# KiCad board acorn-motherboard.kicad_pcb
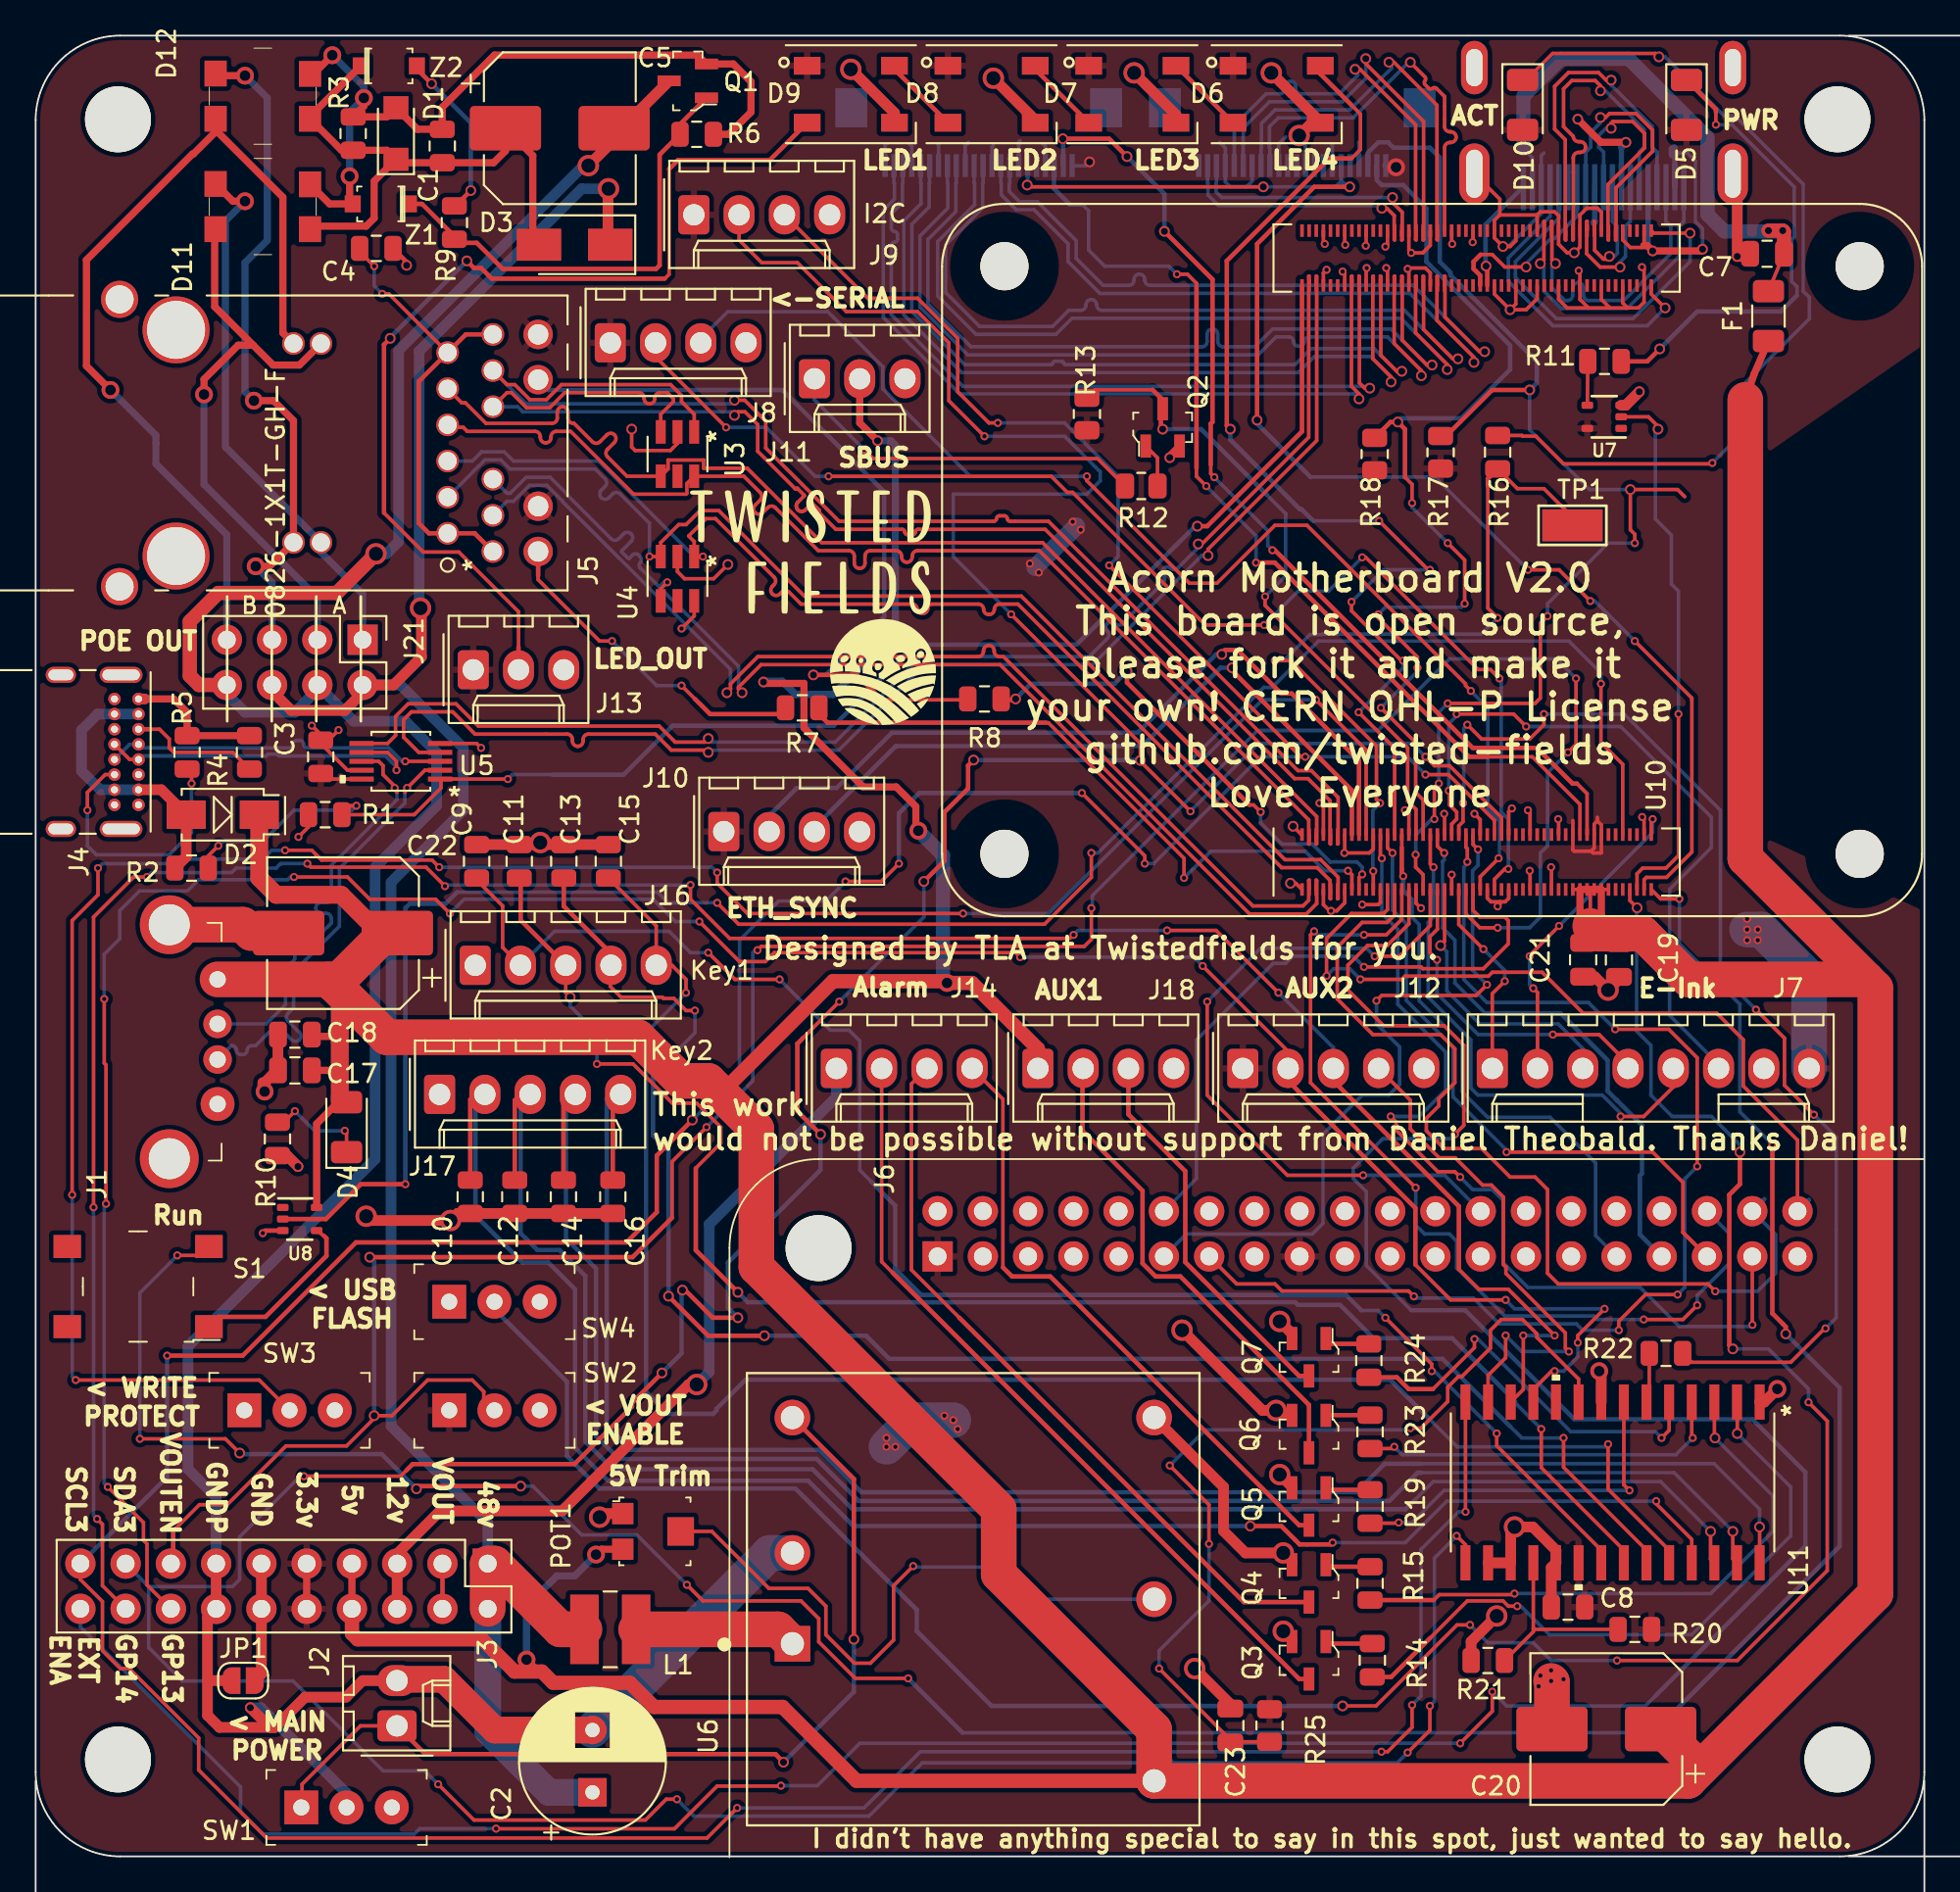
[diagram p0: board, top side]
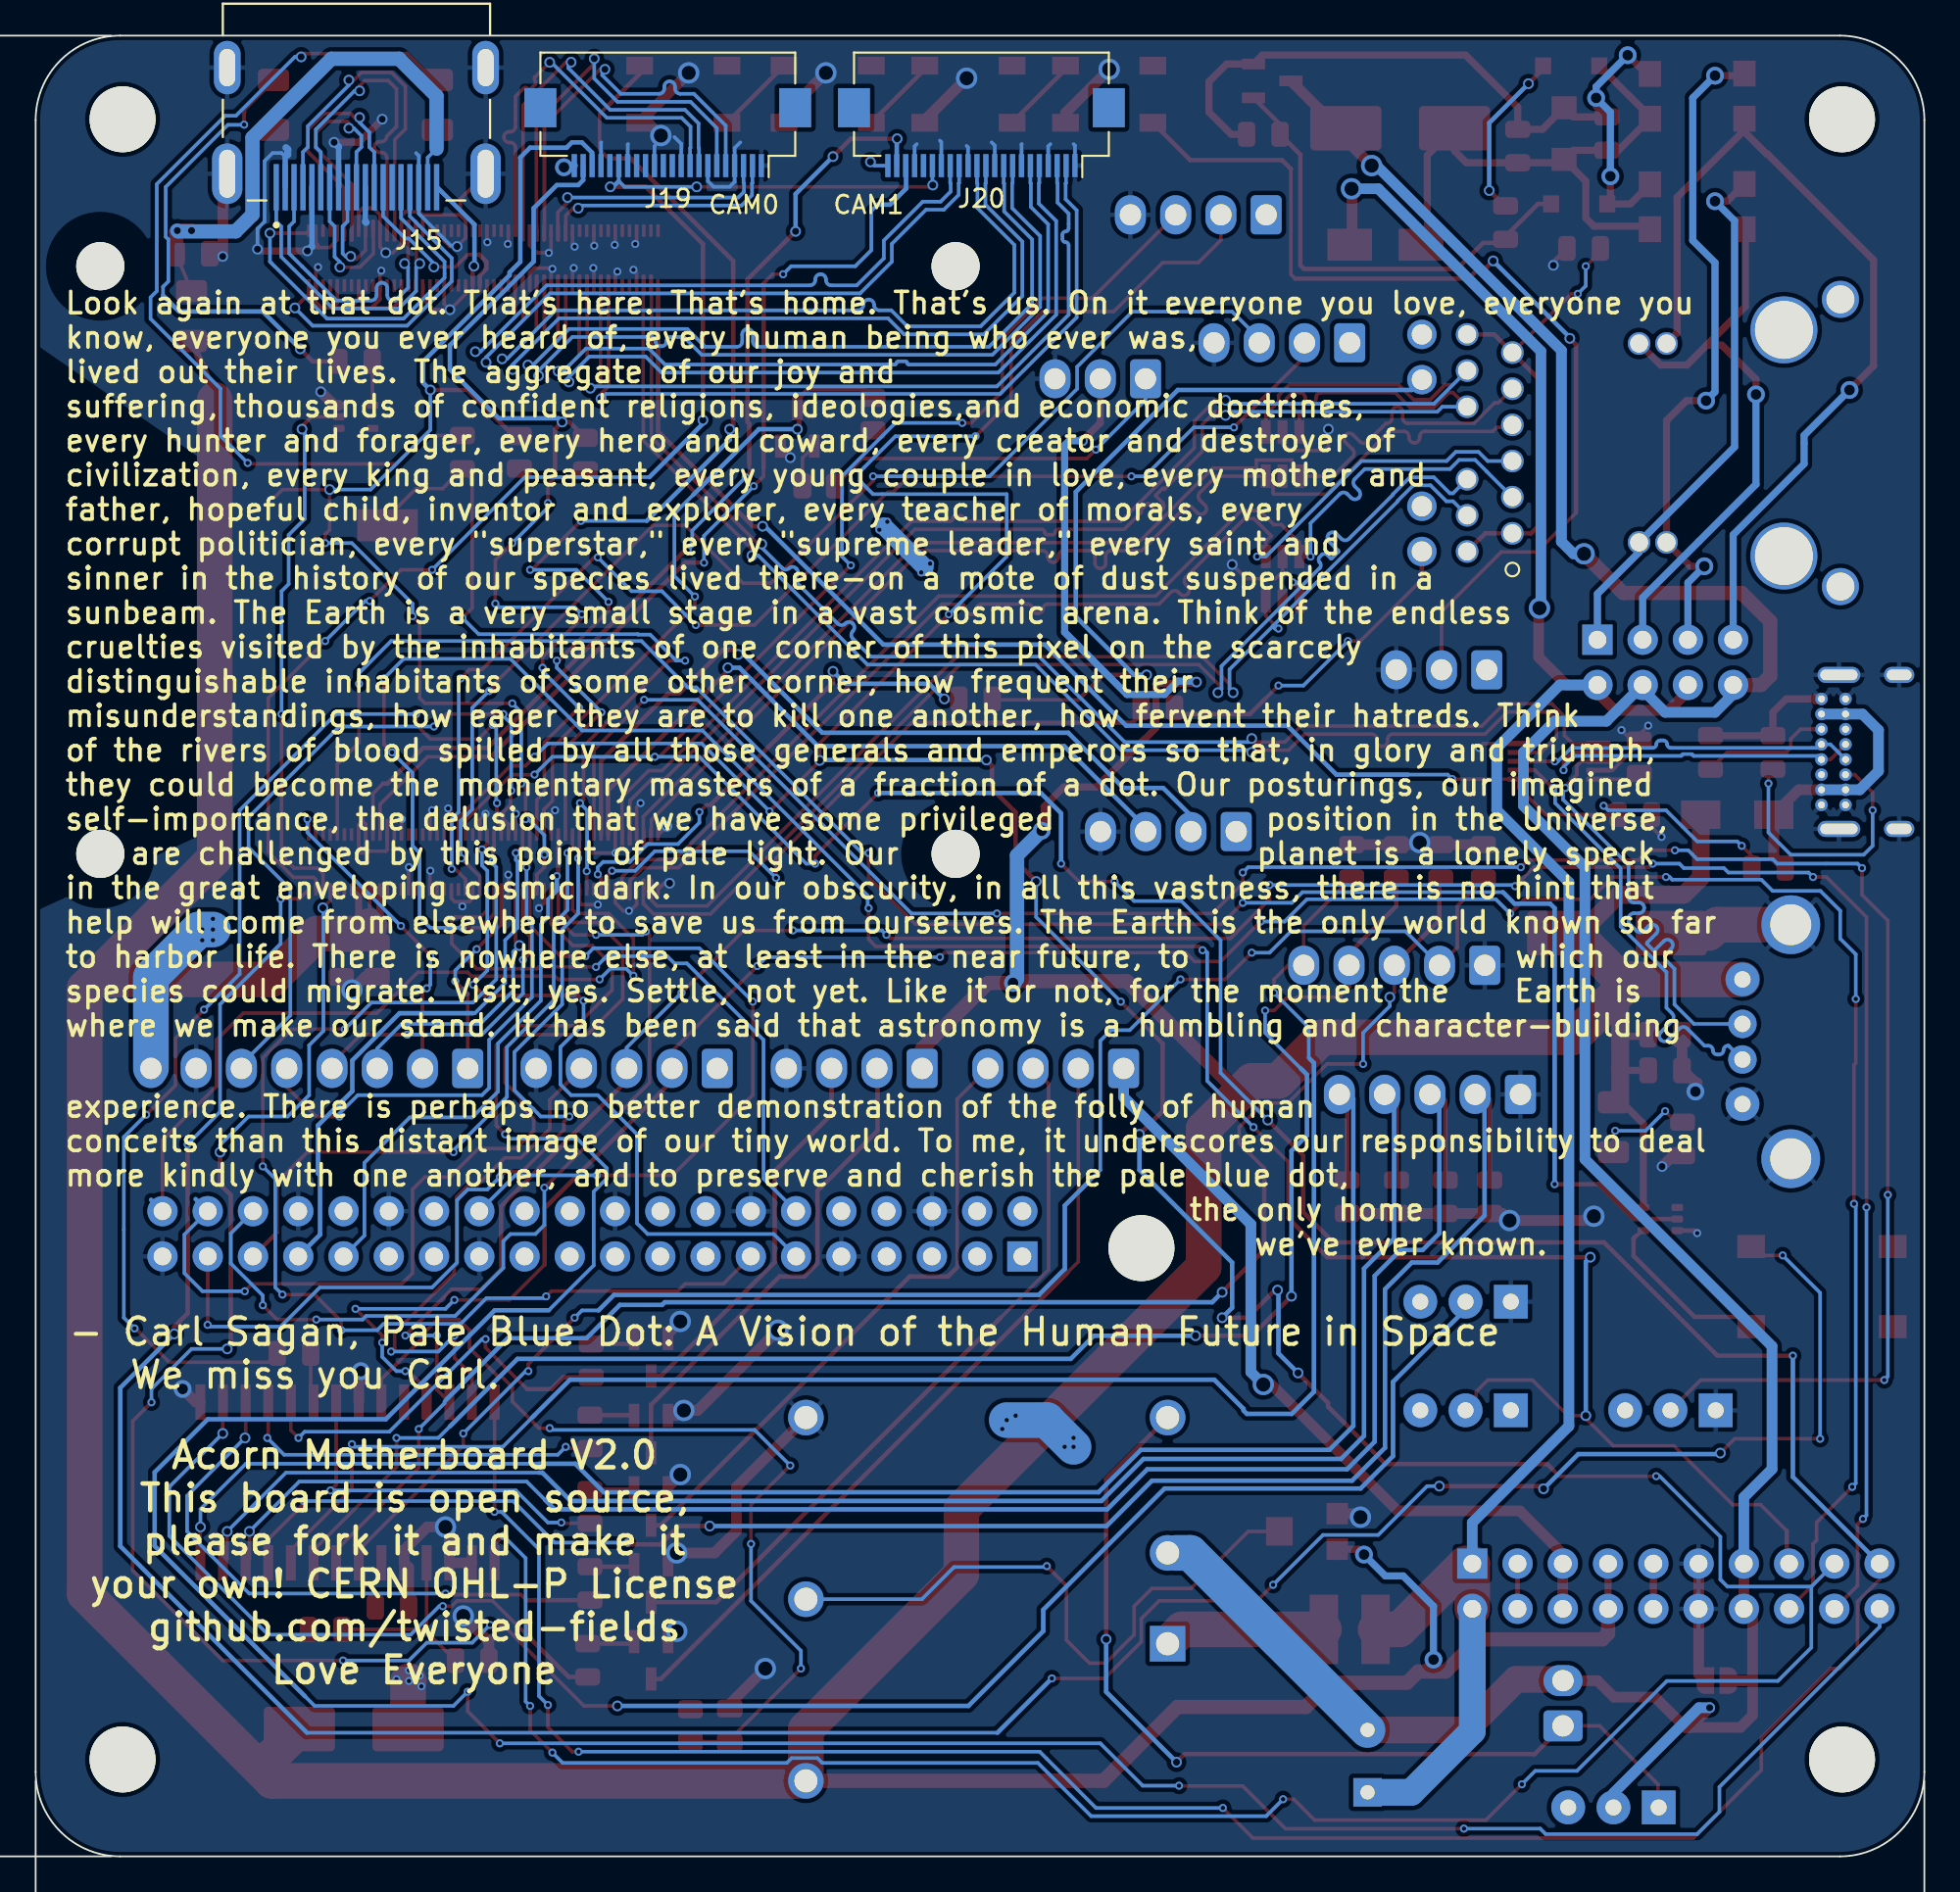
[diagram p1: board, bottom side, seen from below]

Outline 106 x 102.25 mm; copper layers: Top, Bottom. Coordinates in mm from the lower left corner of the outline.
Outline path: 0,97.5 0,4.75 arc(1.39,1.39) 4.75,0 101.25,0 arc(104.61,1.39) 106,4.75 106,97.5 arc(104.61,100.86) 101.25,102.25 4.75,102.25 arc(1.39,100.86) 0,97.5
Stack: Top 0.035mm / dielectric 1.51mm FR4 er 4.5 / Bottom 0.035mm

## Placement (name value [footprint] x y rotation side)
C1  0.1uF  [C_0805_2012Metric]  22.82 96.05 90 top
C2  47uF  [CP_Radial_D8.0mm_P3.50mm]  31.25 3.6 90 top
C3  0.1uF  [C_0805_2012Metric]  16 61.75 270 top
C4  0.1uF  [C_0805_2012Metric]  19.12 90.3 0 top
C5  22uF  [CP_Elec_8x6.5]  29.42 97.05 0 top
C7  0.1uF  [C_0805_2012Metric#2]  97.17 90 180 top
C8  0.1uF  [C_0805_2012Metric]  86 14 0 top
C9  DNP  [C_0805_2012Metric]  24.75 55.88 270 top
C10  DNP  [C_0805_2012Metric]  24.39 37.04 90 top
C11  DNP  [C_0805_2012Metric]  27.14 55.88 270 top
C12  DNP  [C_0805_2012Metric]  26.89 37.04 90 top
C13  DNP  [C_0805_2012Metric]  29.64 55.88 270 top
C14  DNP  [C_0805_2012Metric]  29.62 37.04 90 top
C15  DNP  [C_0805_2012Metric]  32.14 55.88 270 top
C16  DNP  [C_0805_2012Metric]  32.39 37.04 90 top
C17  10uF  [C_0805_2012Metric#2]  14.55 44.14 180 top
C18  10uF  [C_0805_2012Metric#2]  14.55 46.15 180 top
C19  10uF  [C_0805_2012Metric#2]  88.86 50.34 270 top
C20  100uF  [CP_Elec_8x6.5]  88.15 7.15 180 top
C21  10uF  [C_0805_2012Metric#2]  86.85 50.35 270 top
C22  100uF  [CP_Elec_8x6.5]  17.25 51.85 180 top
C23  33pF  [C_0805_2012Metric#2]  67.05 7.35 270 top
D1  VTVS58ASMF-HM3-08  [D_SMF]  20.22 96.75 90 top
D2  D  [DO214AC]  10.5 58.5 180 top
D3  D  [D_SMA]  30.25 90.51 180 top
D4  LED_RED  [LED_1206_3216Metric]  17.45 40.95 90 top
D5  LED_ORANGE  [LED_1206_3216Metric]  92.65 98.36 270 top
D6  WS2812B  [LED_WS2812B_PLCC4_5.0x5.0mm_P3.2mm]  69.65 98.96 0 top
D7  WS2812B  [LED_WS2812B_PLCC4_5.0x5.0mm_P3.2mm]  61.55 98.96 0 top
D8  WS2812B  [LED_WS2812B_PLCC4_5.0x5.0mm_P3.2mm]  53.65 98.96 0 top
D9  WS2812B  [LED_WS2812B_PLCC4_5.0x5.0mm_P3.2mm]  45.75 98.96 0 top
D10  LED_GREEN  [LED_1206_3216Metric]  83.45 98.36 270 top
D11  CD-HD201  [CBRDFSH2]  12.75 92.65 270 top
D12  CD-HD201  [CBRDFSH2]  12.75 98.85 270 top
F1  Polyfuse  [Fuse_1206_3216Metric]  97.25 86.5 90 top
G***  LOGO  [twisted_icon]  47.75 66.5 0 top
G***#2  LOGO  [twisted_2]  34.52 71.25 0 top
G***#3  LOGO  [twisted]  43.5 75.25 0 top
H1  MountingHole  [MountingHole_3.7mm]  4.62 5.44 0 top
H2  MountingHole  [MountingHole_3.7mm]  4.62 97.55 0 top
H3  MountingHole  [MountingHole_3.7mm]  43.94 34.16 0 top
H4  MountingHole  [MountingHole_3.7mm]  101.12 97.55 0 top
H5  MountingHole  [MountingHole_3.7mm]  101.12 5.44 0 top
J1  USB_A  [USB_A_Female_UE27AC54100]  7.5 45.75 270 top
J2  Conn_01x02  [Molex_KK-254_AE-6410-02A_1x02_P2.54mm_Vertical]  20.28 7.33 90 top
J3  Conn_02x10_Counter_Clockwise  [PinHeader_2x10_P2.54mm_Vertical]  25.37 16.44 270 top
J4  USB_C_Receptacle_USB2.0  [USB_C_Receptacle_GCT_USB4085]  5.78 65 270 top
J5  -  [0826-1X1T-GH-F]  23.12 74.3 90 top
J6  Raspberry_Pi_2_3  [PinSocket_2x20_P2.54mm_Vertical]  50.62 33.69 270 bottom
J7  Conn_01x08  [Molex_KK-254_AE-6410-08A_1x08_P2.54mm_Vertical]  81.75 44.25 0 top
J8  Conn_01x04  [Molex_KK-254_AE-6410-04A_1x04_P2.54mm_Vertical]  32.25 85 0 top
J9  Conn_01x04  [Molex_KK-254_AE-6410-04A_1x04_P2.54mm_Vertical]  36.94 92.19 0 top
J10  Conn_01x04  [Molex_KK-254_AE-6410-04A_1x04_P2.54mm_Vertical]  38.62 57.55 0 top
J11  Conn_01x03  [Molex_KK-254_AE-6410-03A_1x03_P2.54mm_Vertical]  43.71 82.98 0 top
J12  Conn_01x05  [Molex_KK-254_AE-6410-05A_1x05_P2.54mm_Vertical]  67.75 44.25 0 top
J13  Conn_01x03  [Molex_KK-254_AE-6410-03A_1x03_P2.54mm_Vertical]  24.56 66.64 0 top
J14  Conn_01x04  [Molex_KK-254_AE-6410-04A_1x04_P2.54mm_Vertical]  44.94 44.25 0 top
J15  1747981-1  [TE_1747981-1]  88 94.49 0 bottom
J16  Conn_01x05  [Molex_KK-254_AE-6410-05A_1x05_P2.54mm_Vertical]  24.67 50.04 0 top
J17  Conn_01x05  [Molex_KK-254_AE-6410-05A_1x05_P2.54mm_Vertical]  22.67 42.79 0 top
J18  Conn_01x04  [Molex_KK-254_AE-6410-04A_1x04_P2.54mm_Vertical]  56.25 44.25 0 top
J19  Conn_01x22_Female  [Hirose_FH12-22S-0.5SH_1x22-1MP_P0.50mm_Horizontal]  70.52 96.8 0 bottom
J20  Conn_01x22_Female  [Hirose_FH12-22S-0.5SH_1x22-1MP_P0.50mm_Horizontal]  52.92 96.8 0 bottom
J21  Conn_02x04_Odd_Even  [PinHeader_2x04_P2.54mm_Vertical]  18.35 68.33 270 top
JP1  Jumper_2_Open  [SolderJumper-2_P1.3mm_Open_RoundedPad1.0x1.5mm]  11.65 9.87 0 top
L1  L  [VLCF4028T-1R2N2R7-2]  32.25 12.75 180 top
POT1  TC33X-2-103E  [Trimpot_3.8mmx3.6mm_TC33X-2-103E]  34.75 18.25 270 top
Q1  Si2328DS  [SOT-23-3]  36.6 99.71 180 top
Q2  2N7002  [SOT-23-3]  63.25 80.25 90 top
Q3  2N7002  [SOT-23-3]  71.46 11.01 270 top
Q4  2N7002  [SOT-23-3]  71.46 15.33 270 top
Q5  2N7002  [SOT-23-3]  71.46 19.65 270 top
Q6  2N7002  [SOT-23-3]  71.46 23.71 270 top
Q7  2N7002  [SOT-23-3]  71.46 28.03 270 top
R1  2.2k 1%  [R_0805_2012Metric]  16.25 58.5 180 top
R2  2.2k 1%  [R_0805_2012Metric]  8.75 55.5 0 top
R3  24.1k/1%  [R_0805_2012Metric]  17.82 96.75 270 top
R4  5.1k  [R_0805_2012Metric]  12 62 270 top
R5  5.1k  [R_0805_2012Metric]  8.5 62 270 top
R6  249k  [R_0805_2012Metric]  37.1 96.71 180 top
R7  470R  [R_0805_2012Metric]  43.02 64.5 0 top
R8  470R  [R_0805_2012Metric]  53.25 65 0 top
R9  51k  [R_0805_2012Metric]  23.5 91.75 90 top
R10  220R  [R_0805_2012Metric]  13.57 40.29 270 top
R11  1k  [R_0805_2012Metric]  88.05 83.96 180 top
R12  100R  [R_0805_2012Metric#2]  62.05 76.96 0 top
R13  10k  [R_0805_2012Metric#2]  59 81 270 top
R14  100R  [R_0805_2012Metric]  75.02 11.01 90 top
R15  100R  [R_0805_2012Metric]  74.89 15.33 90 top
R16  1k  [R_0805_2012Metric]  82.05 78.86 270 top
R17  2.2k 1%  [R_0805_2012Metric#2]  78.85 78.85 90 top
R18  2.2k 1%  [R_0805_2012Metric#2]  75.15 78.75 90 top
R19  100R  [R_0805_2012Metric]  74.89 19.65 90 top
R20  DNP  [R_0805_2012Metric]  89.75 12.75 0 top
R21  10k  [R_0805_2012Metric]  81.5 11 0 top
R22  1k  [R_0805_2012Metric]  91.5 28.25 180 top
R23  100R  [R_0805_2012Metric]  74.89 23.84 90 top
R24  100R  [R_0805_2012Metric]  74.82 27.84 90 top
R25  3.9k  [R_0805_2012Metric#2]  69.25 7.35 90 top
S1  RUN_SW  [Switch_Tactile_SMD_6x6mm_PTS645]  5.75 32 180 top
SW1  SW_SPDT  [Switch_Slide_9x4mm_ASE1E-2M]  17.45 2.75 0 top
SW2  SW_SPDT  [Switch_Slide_9x4mm_ASE1E-2M]  25.75 25.05 0 top
SW3  SW_SPDT  [Switch_Slide_9x4mm_ASE1E-2M]  14.25 25.05 0 top
SW4  SW_SPDT  [Switch_Slide_9x4mm_ASE1E-2M]  25.75 31.15 0 top
TP1  TestPoint  [TestPoint_Keystone_5015_Micro-Minature]  86.25 74.75 180 top
U3  -  [AOZ8904CIL]  36.02 78.75 270 top
U4  -  [AOZ8904CIL]  36.02 71.75 270 top
U5  -  [ISL54222AIUZ]  20.5 61.5 180 top
U6  PDQ30-Q48-S5-D  [CONV_PDQ30-Q48-S5-D]  52.62 14.44 90 top
U7  buffer  [SOT-353_SC-70-5]  88.04 80.84 180 top
U8  buffer  [SOT-353_SC-70-5]  14.82 35.79 0 top
U10  Compute_Module_4_Connectors  [Raspberry-Pi-4-Compute-Module]  80.87 72.8 90 top
U11  MCP23016T-I/SO  [MCP23016T-I&slash_SO]  88.5 21 270 top
Z1  15v/200mW  [SOD-123]  19.37 92.8 180 top
Z2  28v/500mW  [SOD-123]  19.82 100.55 0 top

## Library data of the parts
C2 = -: Digikey: 1189-1004-ND
C5 = -: Digikey: 4447PHCT-ND; MPN: MAL214699801E3
C7 = -: Field4: Farnell; Field5: 2611911; Field6: RM EMK105 B7104KV-F; Field7: TAIYO YUDEN EUROPE GMBH; Field8: 110091611; Part Description: 0.1uF 10% 16V Ceramic Capacitor X7R 0402 (1005 Metric)
C8 C23 = -: Digikey: 311-1361-1-ND
C17-C19 C21 = -: Digikey: 311-1355-1-ND; MPN: CC0805ZKY5V6BB106
C20 C22 = -: Digikey: 493-9703-1-ND; MPN: UWF1A101MCL1GS
D1 = -: Description: TVS Diode 57.6 volts; Category: Circuit Protection; Digikey: 112-VTVS58ASMF-HM3-08CT-ND; Family: TVS - Diodes; Status: Active
D2 = -: Digikey: SK32A-LTPMSCT-ND; MPN: SK32A-LTP
D3 = -: Digikey: 112-VSS8D2M10HM3/ICT-ND; MPN: VSS8D2M10HM3/I
D4 = -: Digikey: 160-1405-1-ND; MPN: LTST-C150KRKT
D5 = -: Digikey: 67-1696-1-ND; MPN: SML-LX1206SOC-TR
D6-D8 = -: Digikey: 1568-1800-ND; MPN: COM-11821; Field6: 1
D9 = -: Digikey: 1568-1800-ND; MPN: COM-11821
D10 = -: Digikey: 160-1404-1-ND; MPN: LTST-C150KGKT
D11 D12 = -: Digikey: 1514-CBRDFSH2-100TR13CT-ND; MPN: CBRDFSH2-100 TR13
F1 = -: Digikey: 507-1802-1-ND; MPN: 0ZCJ0050FF2G
J1 = -: Digikey: UE27AC54100-ND; MPN: UE27AC54100
J2 = -: Digikey: 900-0022232021-ND; MPN: 0022232021
J3 = -: Digikey: S9172-ND; MPN: SBH11-PBPC-D10-ST-BK
J4 = -: Digikey: 2073-USB4085-GF-ACT-ND; MPN: USB4085-GF-A
J5 = -: Digikey: 507-1569-ND
J6 = -: Digikey: S6104-ND; MPN: PPTC202LFBN-RC
J7 = -: Digikey: WM4117-ND; MPN: 0022272081
J8-J10 J14 J18 = -: Digikey: WM4202-ND; MPN: 0022232041
J11 J13 = -: Digikey: WM4201-ND; MPN: 0022232031
J12 J16 J17 = -: Digikey: WM2703-ND; MPN: 0022112052
J15 = -: Digikey: A35071CT-ND
J19 J20 = -: Digikey: HFJ122CT-ND; Field7: Hirose; MPN: FH12-22S-0.5SH(55); Part Description: 22 Position FFC, FPC Connector Contacts, Bottom 0.020" (0.50mm) Surface Mount, Right Angle
L1 = -: Digikey: 445-6544-1-ND; Field5: *; Field6: *
POT1 = -: Description: TRIMMER 10K OHM 0.1W J LEAD TOP; Category: Potentiometers, Variable Resistors; DK_Datasheet_Link: https://www.bourns.com/docs/Product-Datasheets/TC33.pdf; DK_Detail_Page: /product-detail/en/bourns-inc/TC33X-2-103E/TC33X-103ETR-ND/612858; Digikey: TC33X-502ECT-ND; Family: Trimmer Potentiometers; MPN: TC33X-2-502E; Manufacturer: Bourns Inc.; Status: Active
Q1 = -: Digikey: DMN10H220L-7DICT-ND; MPN: DMN10H220L-7
Q2 Q3 = -: Description: MOSFET N-CH 60V 115MA SOT-23; Category: Discrete Semiconductor Products; Digikey: MMBF0201NLT1GOSCT-ND; Family: Transistors - FETs, MOSFETs - Single; Manufacturer: ON Semiconductor; Status: Active
Q4-Q7 = -: Description: MOSFET N-CH 60V 115MA SOT-23; Category: Discrete Semiconductor Products; DK_Datasheet_Link: https://www.onsemi.com/pub/Collateral/NDS7002A-D.PDF; DK_Detail_Page: /product-detail/en/on-semiconductor/2N7002/2N7002NCT-ND/244664; Digikey: MMBF0201NLT1GOSCT-ND; Family: Transistors - FETs, MOSFETs - Single; Manufacturer: ON Semiconductor; Status: Active
R1 R2 = -: Digikey: RMCF0805FT2K10CT-ND; MPN: RMCF0805FT2K10
R3 R6-R9 = -: Digikey: RMCF0805FT750RCT-ND
R4 R5 = -: Digikey: RMCF0805FT130RCT-ND
R10 = -: Digikey: A129741CT-ND
R11 R16 R22 = -: Digikey: 311-1.00KCRCT-ND
R13 R21 R25 = -: Digikey: 311-10.0KCRCT-ND
R14 R15 R19 R23 R24 = -: Digikey: 311-100CRCT-ND
R17 R18 = -: Digikey: RMCF0805FT2K10CT-ND; MPN: RC0805FR-0710KL; Part Description: Resistor 2.2K M1005 1% 63mW
S1 = -: Description: SWITCH TACTILE SPST-NO 0.05A 12V; Category: Switches; DK_Datasheet_Link: https://www.ckswitches.com/media/1471/pts645.pdf; DK_Detail_Page: /product-detail/en/c-k/PTS645SM43SMTR92-LFS/CKN9112CT-ND/1146934; Digikey: CKN9112CT-ND; Family: Tactile Switches; MPN: PTS645SM43SMTR92 LFS; Manufacturer: C&K; Status: Active
SW1-SW4 = -: Digikey: 563-1153-ND
TP1 = -: Digikey: 36-5015CT-ND
U3 = -: Digikey: 785-1755-1-ND; Field6: 0.022in/0.559mm; Field7: 0.098in/2.489mm; Field8: 0.052in/1.321mm; Field9: 0.037in/0.94mm; Field10: Copyright 2021 Accelerated Designs. All rights reserved.
U4 = -: Digikey: 785-1755-1-ND; Field6: 0.022in/0.559mm; Field7: 0.037in/0.94mm; Field8: 0.098in/2.489mm; Field9: 0.052in/1.321mm; Field10: Copyright 2021 Accelerated Designs. All rights reserved.
U5 = -: Digikey: ISL54222AIUZ-ND; Field6: 0.054in/1.359mm; Field7: 0.011in/0.279mm; Field8: 0.174in/4.407mm; Field9: 0.02in/0.5mm
U6 = -: Digikey: 102-3897-ND; Field5: Manufacturer Recommendations
U7 U8 = -: Digikey: TC7SH34FULJ(CTCT-ND; MPN: TC7SH34FU,LJ(CT
U10 = -: Digikey: H124602CT-ND; MPN: DF40HC(3.0)-100DS-0.4V(58)
U11 = -: Digikey: MCP23016T-I/SOCT-ND; Field6: .
Z1 = -: Description: DIODE ZENER 15V 500MW SOD123; Category: Discrete Semiconductor Products; DK_Datasheet_Link: https://www.diodes.com/assets/Datasheets/ds30410.pdf; DK_Detail_Page: https://www.digikey.com/en/products/detail/diodes-incorporated/DDZ9702-7/700124; Digikey: DDZ9702DICT-ND; Family: Diodes - Zener - Single; MPN: DDZ9702-7; Manufacturer: Diodes Incorporated; Status: Active
Z2 = -: Description: DIODE ZENER 28V 500MW SOD123; Category: Discrete Semiconductor Products; DK_Datasheet_Link: https://www.diodes.com/assets/Datasheets/ds18010.pdf; DK_Detail_Page: https://www.digikey.com/en/products/detail/diodes-incorporated/MMSZ5255B-7-F/814442; Digikey: MMSZ5255B-FDICT-ND; Family: Diodes - Zener - Single; MPN: MMSZ5255B-7-F; Manufacturer: Diodes Incorporated; Status: Active

## Footprints (pads in the part's own frame, mm; a bottom-side part is the same pattern mirrored in y, then rotated)
0826-1X1T-GH-F
  round 1.27 hole 1.016: 1(0,0) 2(2.03,0) 3(4.06,0) 4(6.09,0) 5(8.12,0) 6(10.15,0) 7(-1.02,-2.54) 8(1.01,-2.54) 9(3.04,-2.54) 10(7.11,-2.54) 11(9.14,-2.54) 12(11.17,-2.54) 13(-0.51,7.11) 14(10.66,7.11) 15(-0.51,8.65) 16(10.66,8.65)
  round 1.651 hole 1.143: 17(-1.02,-5.08) 18(1.52,-5.08) 19(8.63,-5.08) 20(11.17,-5.08)
  round 3.759 hole 3.251: 21(-1.275,15.24) 22(11.425,15.24)
  round 2.083 hole 1.575: 23(-2.99,18.41) 24(13.14,18.41)
AOZ8904CIL
  rect 1.321x0.559 smd: 1(-1.245,0.94) 2(-1.245,0) 3(-1.245,-0.94) 4(1.245,-0.94) 5(1.245,0) 6(1.245,0.94)
C_0805_2012Metric
  rrect 0.975x1.4 smd: 1(-0.938,0) 2(0.938,0)
C_0805_2012Metric#2
  rrect 1x1.45 smd: 1(-0.95,0) 2(0.95,0)
CBRDFSH2
  rect 1.45x1.25 smd: 1(-1.27,-2.65) 2(1.27,-2.65) 3(-1.25,2.65) 4(1.27,2.65)
CONV_PDQ30-Q48-S5-D
  rect 2x2 hole 1.3: 1(-2.5,10.15)
  round 2 hole 1.3: 2(2.6,10.15) 3(-10.2,-10.15) 4(0,-10.15) 5(10.2,-10.15) 6(10.2,10.15)
CP_Elec_8x6.5
  rrect 4x2.5 smd: 1(-3.05,0) 2(3.05,0)
CP_Radial_D8.0mm_P3.50mm
  rect 1.6x1.6 hole 0.8: 1(0,0)
  round 1.6 hole 0.8: 2(3.5,0)
D_SMA
  rect 2.5x1.8 smd: 1(-2,0) 2(2,0)
D_SMF
  rect 1.3x1.4 smd: 1(-1.45,0) 2(1.45,0)
DO214AC
  rect 2.2x1.6 smd: 1(-2.05,0) 2(2.05,0)
Fuse_1206_3216Metric
  rrect 1.25x1.75 smd: 1(-1.4,0) 2(1.4,0)
Hirose_FH12-22S-0.5SH_1x22-1MP_P0.50mm_Horizontal
  rect 0.3x1.3 smd: 1(-5.25,1.85) 2(-4.75,1.85) 3(-4.25,1.85) 4(-3.75,1.85) 5(-3.25,1.85) 6(-2.75,1.85) 7(-2.25,1.85) 8(-1.75,1.85) 9(-1.25,1.85) 10(-0.75,1.85) 11(-0.25,1.85) 12(0.25,1.85) 13(0.75,1.85) 14(1.25,1.85) 15(1.75,1.85) 16(2.25,1.85) 17(2.75,1.85) 18(3.25,1.85) 19(3.75,1.85) 20(4.25,1.85) 21(4.75,1.85) 22(5.25,1.85)
  rect 1.8x2.2 smd: MP(-7.15,-1.4) MP(7.15,-1.4)
ISL54222AIUZ
  rect 1.359x0.279 smd: 1(-2.203,1) 2(-2.203,0.5) 3(-2.203,0) 4(-2.203,-0.5) 5(-2.203,-1) 6(2.203,-1) 7(2.203,-0.5) 8(2.203,0) 9(2.203,0.5) 10(2.203,1)
LED_1206_3216Metric
  rrect 1.25x1.75 smd: 1(-1.4,0) 2(1.4,0)
LED_WS2812B_PLCC4_5.0x5.0mm_P3.2mm
  rect 1.5x1 smd: 1(-2.45,1.6) 2(-2.45,-1.6) 3(2.45,-1.6) 4(2.45,1.6)
MCP23016T-I&slash_SO
  rect 1.981x0.559 smd: 1(-4.515,8.255) 2(-4.515,6.985) 3(-4.515,5.715) 4(-4.515,4.445) 5(-4.515,3.175) 6(-4.515,1.905) 7(-4.515,0.635) 8(-4.515,-0.635) 9(-4.515,-1.905) 10(-4.515,-3.175) 11(-4.515,-4.445) 12(-4.515,-5.715) 13(-4.515,-6.985) 14(-4.515,-8.255) 15(4.515,-8.255) 16(4.515,-6.985) 17(4.515,-5.715) 18(4.515,-4.445) 19(4.515,-3.175) 20(4.515,-1.905) 21(4.515,-0.635) 22(4.515,0.635) 23(4.515,1.905) 24(4.515,3.175) 25(4.515,4.445) 26(4.515,5.715) 27(4.515,6.985) 28(4.515,8.255)
Molex_KK-254_AE-6410-02A_1x02_P2.54mm_Vertical
  rrect 1.74x2.2 hole 1.2: 1(0,0)
  oval 1.74x2.2 hole 1.2: 2(2.54,0)
Molex_KK-254_AE-6410-03A_1x03_P2.54mm_Vertical
  rrect 1.74x2.19 hole 1.19: 1(0,0)
  oval 1.74x2.19 hole 1.19: 2(2.54,0) 3(5.08,0)
Molex_KK-254_AE-6410-04A_1x04_P2.54mm_Vertical
  rrect 1.74x2.2 hole 1.2: 1(0,0)
  oval 1.74x2.2 hole 1.2: 2(2.54,0) 3(5.08,0) 4(7.62,0)
Molex_KK-254_AE-6410-05A_1x05_P2.54mm_Vertical
  rrect 1.74x2.2 hole 1.2: 1(0,0)
  oval 1.74x2.2 hole 1.2: 2(2.54,0) 3(5.08,0) 4(7.62,0) 5(10.16,0)
Molex_KK-254_AE-6410-08A_1x08_P2.54mm_Vertical
  rrect 1.74x2.2 hole 1.2: 1(0,0)
  oval 1.74x2.2 hole 1.2: 2(2.54,0) 3(5.08,0) 4(7.62,0) 5(10.16,0) 6(12.7,0) 7(15.24,0) 8(17.78,0)
MountingHole_3.7mm
  round 3.7 hole 3.7 unplated: (0,0)
PinHeader_2x04_P2.54mm_Vertical
  rect 1.7x1.7 hole 1: 1(0,0)
  oval 1.7x1.7 hole 1: 2(2.54,0) 3(0,-2.54) 4(2.54,-2.54) 5(0,-5.08) 6(2.54,-5.08) 7(0,-7.62) 8(2.54,-7.62)
PinHeader_2x10_P2.54mm_Vertical
  rect 1.7x1.7 hole 1: 1(0,0)
  oval 1.7x1.7 hole 1: 2(2.54,0) 3(0,-2.54) 4(2.54,-2.54) 5(0,-5.08) 6(2.54,-5.08) 7(0,-7.62) 8(2.54,-7.62) 9(0,-10.16) 10(2.54,-10.16) 11(0,-12.7) 12(2.54,-12.7) 13(0,-15.24) 14(2.54,-15.24) 15(0,-17.78) 16(2.54,-17.78) 17(0,-20.32) 18(2.54,-20.32) 19(0,-22.86) 20(2.54,-22.86)
PinSocket_2x20_P2.54mm_Vertical
  rect 1.7x1.7 hole 1: 1(0,0)
  oval 1.7x1.7 hole 1: 2(-2.54,0) 3(0,-2.54) 4(-2.54,-2.54) 5(0,-5.08) 6(-2.54,-5.08) 7(0,-7.62) 8(-2.54,-7.62) 9(0,-10.16) 10(-2.54,-10.16) 11(0,-12.7) 12(-2.54,-12.7) 13(0,-15.24) 14(-2.54,-15.24) 15(0,-17.78) 16(-2.54,-17.78) 17(0,-20.32) 18(-2.54,-20.32) 19(0,-22.86) 20(-2.54,-22.86) 21(0,-25.4) 22(-2.54,-25.4) 23(0,-27.94) 24(-2.54,-27.94) 25(0,-30.48) 26(-2.54,-30.48) 27(0,-33.02) 28(-2.54,-33.02) 29(0,-35.56) 30(-2.54,-35.56) 31(0,-38.1) 32(-2.54,-38.1) 33(0,-40.64) 34(-2.54,-40.64) 35(0,-43.18) 36(-2.54,-43.18) 37(0,-45.72) 38(-2.54,-45.72) 39(0,-48.26) 40(-2.54,-48.26)
R_0805_2012Metric
  rrect 0.975x1.4 smd: 1(-0.938,0) 2(0.938,0)
R_0805_2012Metric#2
  rrect 1.025x1.4 smd: 1(-0.912,0) 2(0.912,0)
Raspberry-Pi-4-Compute-Module
  round 2.7 hole 2.7 unplated: (-16.5,26.5) (-16.5,-21.5) (16.5,26.5) (16.5,-21.5)
  rect 0.7x0.2 smd: 1(-18.5,9.8) 2(-15.42,9.8) 3(-18.5,9.4) 4(-15.42,9.4) 5(-18.5,9) 6(-15.42,9) 7(-18.5,8.6) 8(-15.42,8.6) 9(-18.5,8.2) 10(-15.42,8.2) 11(-18.5,7.8) 12(-15.42,7.8) 13(-18.5,7.4) 14(-15.42,7.4) 15(-18.5,7) 16(-15.42,7) 17(-18.5,6.6) 18(-15.42,6.6) 19(-18.5,6.2) 20(-15.42,6.2) 21(-18.5,5.8) 22(-15.42,5.8) 23(-18.5,5.4) 24(-15.42,5.4) 25(-18.5,5) 26(-15.42,5) 27(-18.5,4.6) 28(-15.42,4.6) 29(-18.5,4.2) 30(-15.42,4.2) 31(-18.5,3.8) 32(-15.42,3.8) 33(-18.5,3.4) 34(-15.42,3.4) 35(-18.5,3) 36(-15.42,3) 37(-18.5,2.6) 38(-15.42,2.6) 39(-18.5,2.2) 40(-15.42,2.2) 41(-18.5,1.8) 42(-15.42,1.8) 43(-18.5,1.4) 44(-15.42,1.4) 45(-18.5,1) 46(-15.42,1) 47(-18.5,0.6) 48(-15.42,0.6) 49(-18.5,0.2) 50(-15.42,0.2) 51(-18.5,-0.2) 52(-15.42,-0.2) 53(-18.5,-0.6) 54(-15.42,-0.6) 55(-18.5,-1) 56(-15.42,-1) 57(-18.5,-1.4) 58(-15.42,-1.4) 59(-18.5,-1.8) 60(-15.42,-1.8) 61(-18.5,-2.2) 62(-15.42,-2.2) 63(-18.5,-2.6) 64(-15.42,-2.6) 65(-18.5,-3) 66(-15.42,-3) 67(-18.5,-3.4) 68(-15.42,-3.4) 69(-18.5,-3.8) 70(-15.42,-3.8) 71(-18.5,-4.2) 72(-15.42,-4.2) 73(-18.5,-4.6) 74(-15.42,-4.6) 75(-18.5,-5) 76(-15.42,-5) 77(-18.5,-5.4) 78(-15.42,-5.4) 79(-18.5,-5.8) 80(-15.42,-5.8) 81(-18.5,-6.2) 82(-15.42,-6.2) 83(-18.5,-6.6) 84(-15.42,-6.6) 85(-18.5,-7) 86(-15.42,-7) 87(-18.5,-7.4) 88(-15.42,-7.4) 89(-18.5,-7.8) 90(-15.42,-7.8) 91(-18.5,-8.2) 92(-15.42,-8.2) 93(-18.5,-8.6) 94(-15.42,-8.6) 95(-18.5,-9) 96(-15.42,-9) 97(-18.5,-9.4) 98(-15.42,-9.4) 99(-18.5,-9.8) 100(-15.42,-9.8) 101(15.42,9.8) 102(18.5,9.8) 103(15.42,9.4) 104(18.5,9.4) 105(15.42,9) 106(18.5,9) 107(15.42,8.6) 108(18.5,8.6) 109(15.42,8.2) 110(18.5,8.2) 111(15.42,7.8) 112(18.5,7.8) 113(15.42,7.4) 114(18.5,7.4) 115(15.42,7) 116(18.5,7) 117(15.42,6.6) 118(18.5,6.6) 119(15.42,6.2) 120(18.5,6.2) 121(15.42,5.8) 122(18.5,5.8) 123(15.42,5.4) 124(18.5,5.4) 125(15.42,5) 126(18.5,5) 127(15.42,4.6) 128(18.5,4.6) 129(15.42,4.2) 130(18.5,4.2) 131(15.42,3.8) 132(18.5,3.8) 133(15.42,3.4) 134(18.5,3.4) 135(15.42,3) 136(18.5,3) 137(15.42,2.6) 138(18.5,2.6) 139(15.42,2.2) 140(18.5,2.2) 141(15.42,1.8) 142(18.5,1.8) 143(15.42,1.4) 144(18.5,1.4) 145(15.42,1) 146(18.5,1) 147(15.42,0.6) 148(18.5,0.6) 149(15.42,0.2) 150(18.5,0.2) 151(15.42,-0.2) 152(18.5,-0.2) 153(15.42,-0.6) 154(18.5,-0.6) 155(15.42,-1) 156(18.5,-1) 157(15.42,-1.4) 158(18.5,-1.4) 159(15.42,-1.8) 160(18.5,-1.8) 161(15.42,-2.2) 162(18.5,-2.2) 163(15.42,-2.6) 164(18.5,-2.6) 165(15.42,-3) 166(18.5,-3) 167(15.42,-3.4) 168(18.5,-3.4) 169(15.42,-3.8) 170(18.5,-3.8) 171(15.42,-4.2) 172(18.5,-4.2) 173(15.42,-4.6) 174(18.5,-4.6) 175(15.42,-5) 176(18.5,-5) 177(15.42,-5.4) 178(18.5,-5.4) 179(15.42,-5.8) 180(18.5,-5.8) 181(15.42,-6.2) 182(18.5,-6.2) 183(15.42,-6.6) 184(18.5,-6.6) 185(15.42,-7) 186(18.5,-7) 187(15.42,-7.4) 188(18.5,-7.4) 189(15.42,-7.8) 190(18.5,-7.8) 191(15.42,-8.2) 192(18.5,-8.2) 193(15.42,-8.6) 194(18.5,-8.6) 195(15.42,-9) 196(18.5,-9) 197(15.42,-9.4) 198(18.5,-9.4) 199(15.42,-9.8) 200(18.5,-9.8)